# Altium PCB MiniPC.PcbDoc (part 13 of 23)
Units mm, origin at the board's own origin, x right, y up, seen from the top; angles counter-clockwise.
Board outline 175 x 155 mm, 16 copper layers (1_Top, 2_int1_(gnd), 3_int2_(power), 4_int3_(gnd), 5_int4_(sign), 6_int5_(power), 7_int6_(sign), 8_int7_(power), 9_int8_(gnd), 10_int9_(sign), 11_int10_(gnd), 12_int11_(sign), 13_int12_(gnd), 14_int13_(power), 15_int14_(gnd), 16_Bottom), stack 2.008 mm thick; 1046 components, 841 nets, 6010 pads, 4016 vias.
Unrouted connection lines stored in the file: 602.
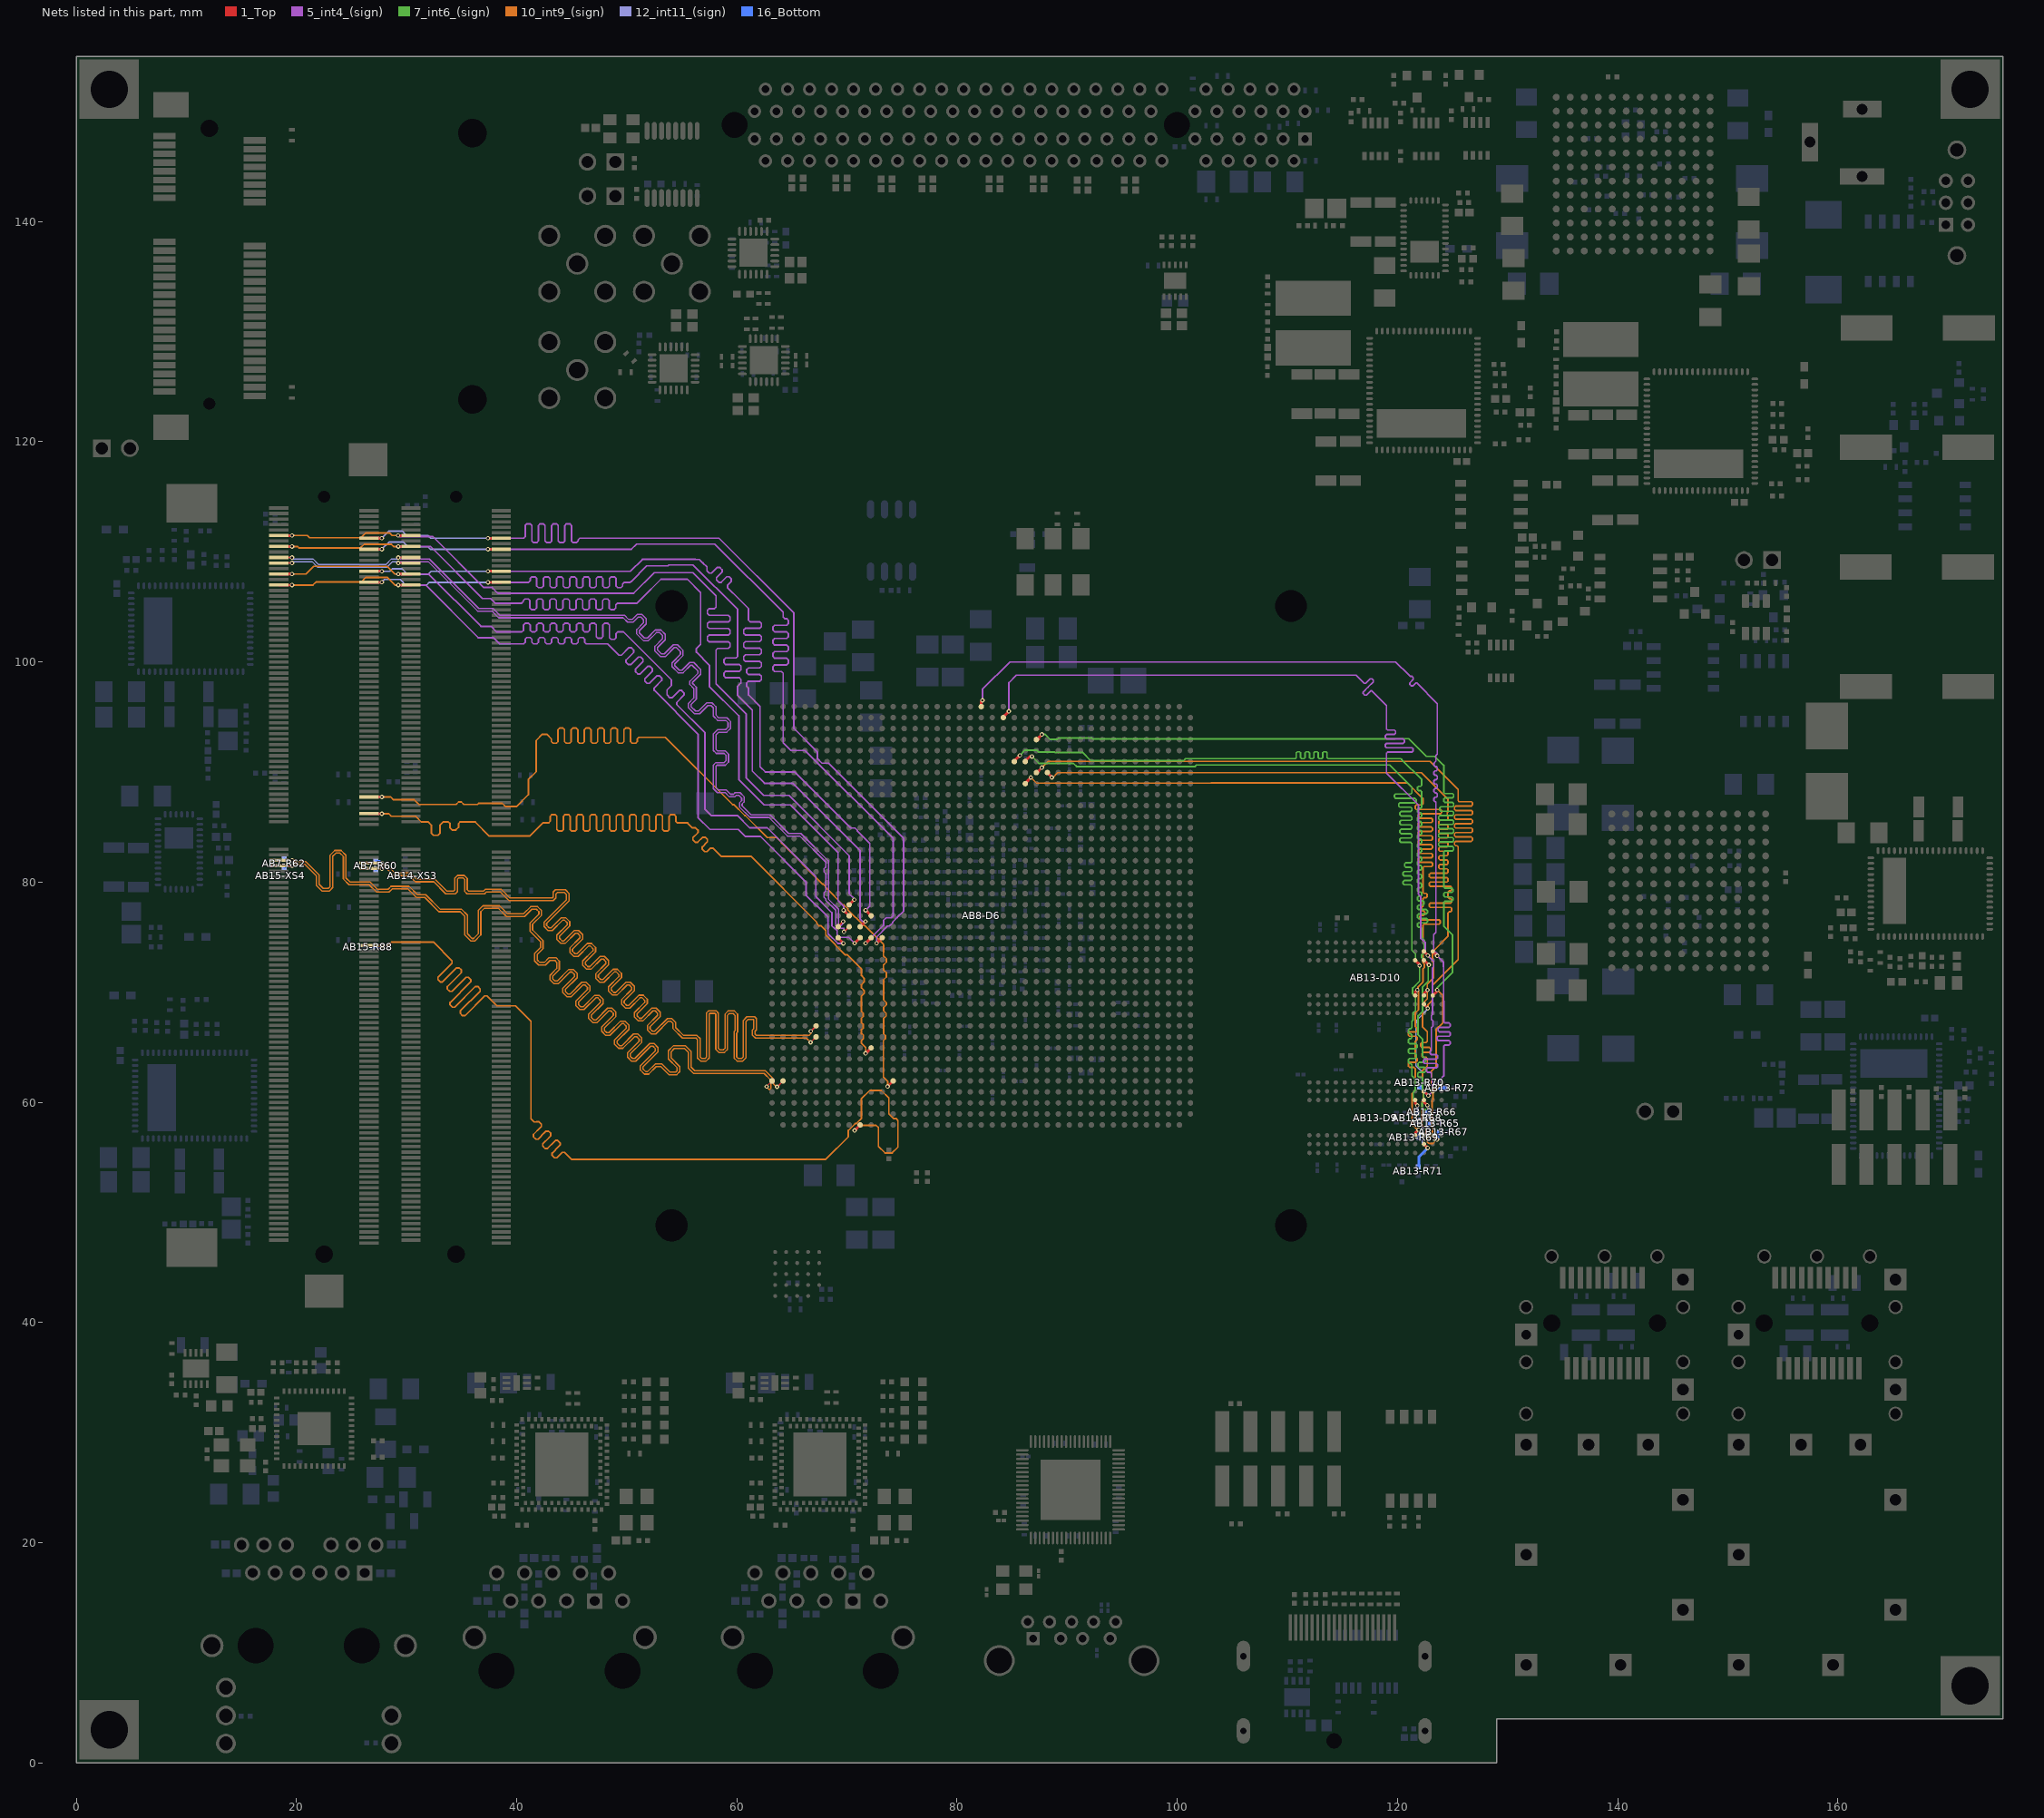
[diagram p27: the nets of this part, all layers, seen from the top]

## Via types
v1: diameter 0.4, hole 0.2, 1_Top to 16_Bottom, tented both sides, 1658 vias
v2: diameter 0.7, hole 0.3, 1_Top to 16_Bottom, tented both sides, 915 vias
v3: diameter 0.5, hole 0.2, 1_Top to 16_Bottom, tented both sides, 854 vias
v4: diameter 0.6, hole 0.2, 1_Top to 16_Bottom, 278 vias
v5: diameter 0.5, hole 0.2, 1_Top to 16_Bottom, 162 vias
v6: diameter 0.4, hole 0.2, 1_Top to 16_Bottom, 100 vias
v7: diameter 0.4/0/0/0/0/0/0/0/0/0/0/0/0/0/0/0.4 (per signal layer), hole 0.2, 1_Top to 16_Bottom, tented both sides, 18 vias
v8: diameter 0.4/0/0/0/0/0/0/0/0/0/0/0.4/0.4/0.4/0.4/0.4 (per signal layer), hole 0.2, 1_Top to 16_Bottom, tented both sides, 16 vias
v9: diameter 0.5, hole 0.254, 1_Top to 16_Bottom, 15 vias

## Nets (pads, with @x,y where several pads share a name; then routed paths per layer and width w, separated by ;. In a path a pad name is that pad's centre, name@x,y a point inside that pad or via, vN(x,y) a via of type N, cw(c..) or ccw(c..) an arc to the next point about the centre after c; other vN are vias at no path point) (continued)
DDR4_BLK1.DL8.DQ56: AB8-D6.Y10 AB14-XS3.237 AB15-XS4.237 | length 89.3
  1_Top w0.25: AB15-XS4.237@26.6,108.225 v1(27.75,108.225) ; v1(37.398,108.225) AB14-XS3.237@38.6,108.225 ; v1(71.694,77.439) AB8-D6.Y10@72.194,76.939
  5_int4_(sign) w0.15: v1(37.398,108.225) 50.336,108.225 51.421,109.31 56.232,109.31 56.242,109.3 56.6,109.3 56.713,109.188 56.925,108.975 57.276,108.624 57.276,108.478 57.276,108.266 57.488,108.054 57.7,108.054 57.773,108.127 58.226,108.58 58.438,108.58 58.65,108.368 58.65,108.155 58.197,107.703 58.143,107.648 58.143,107.436 58.355,107.224 58.567,107.224 58.622,107.278 59.075,107.731 59.287,107.731 59.499,107.519 59.499,107.307 59.152,106.96 59.152,106.748 60.187,105.713 61.05,104.85 61.05,104.45 61.05,103.792 61.2,103.642 62.075,103.642 62.225,103.492 62.225,103.192 62.075,103.042 61.05,103.042 60.775,103.042 60.625,102.892 60.625,102.592 60.775,102.442 61.05,102.442 62.075,102.442 62.225,102.292 62.225,101.992 62.075,101.842 61.05,101.842 60.775,101.842 60.625,101.692 60.625,101.392 60.775,101.242 61.05,101.242 62.075,101.242 62.225,101.092 62.225,100.792 62.075,100.642 61.05,100.642 60.775,100.642 60.625,100.492 60.625,100.192 60.775,100.042 61.05,100.042 62.075,100.042 62.225,99.892 62.225,99.592 62.075,99.442 61.05,99.442 60.9,99.292 60.9,98.992 61.05,98.842 62.075,98.842 62.225,98.692 62.225,98.392 62.075,98.242 61.05,98.242 61.039,98.242 60.889,98.092 60.889,97.792 61.039,97.642 61.05,97.631 61.05,97.342 61.05,97 62.1,95.95 62.1,90.475 62.575,90 65.225,90 70.325,84.9 70.73,84.9 70.95,84.68 70.95,84.63 72.079,83.501 72.079,77.824 v1(71.694,77.439)
  12_int11_(sign) w0.15: v1(27.75,108.225) 28.475,108.225 28.7,108.45 29.6,108.45 30.1,107.95 31.95,107.95 32.225,108.225 v1(37.398,108.225)
DDR4_BLK1.DL8.DQ57: AB8-D6.AB9 AB14-XS3.236 AB15-XS4.236 | length 88.9
  1_Top w0.25: AB15-XS4.236@18.4,107.975 v1(19.602,107.975) ; v1(29.25,107.975) AB14-XS3.236@30.4,107.975 ; v1(70.694,74.439) AB8-D6.AB9@71.194,74.939
  5_int4_(sign) w0.15: v1(29.25,107.975) 32,107.975 36.75,103.225 37.675,103.225 38.175,102.725 40.475,102.725 40.625,102.875 40.625,103.35 40.775,103.5 41.075,103.5 41.225,103.35 41.225,102.875 41.375,102.725 41.675,102.725 41.825,102.875 41.825,103.35 41.975,103.5 42.275,103.5 42.425,103.35 42.425,102.875 42.575,102.725 42.875,102.725 43.025,102.875 43.025,103.35 43.175,103.5 43.475,103.5 43.625,103.35 43.625,102.875 43.775,102.725 44.075,102.725 44.225,102.875 44.225,103.35 44.375,103.5 44.675,103.5 44.825,103.35 44.825,102.875 44.975,102.725 45.275,102.725 45.425,102.875 45.425,103.35 45.575,103.5 45.875,103.5 46.025,103.35 46.025,102.875 46.175,102.725 46.475,102.725 46.625,102.875 46.625,103.35 46.775,103.5 47.075,103.5 47.225,103.35 47.225,102.285 47.375,102.135 47.675,102.135 47.825,102.285 47.825,103.35 47.975,103.5 48.275,103.5 48.425,103.35 48.425,102.187 48.575,102.037 48.875,102.037 49.025,102.187 49.025,102.575 49.175,102.725 49.698,102.725 54.05,98.373 54.05,97.85 53.65,97.45 53.65,97 53.906,96.744 54.118,96.744 54.771,97.396 54.983,97.396 55.195,97.184 55.195,96.972 54.542,96.32 54.542,96.108 57.1,93.55 57.1,86.6 57.65,86.05 60.025,86.05 61.15,84.925 62.75,84.925 67.175,80.5 67.175,78.675 68.625,77.225 68.625,76.03 68.805,75.85 68.83,75.85 69.1,75.58 69.1,75.15 69.275,74.975 70.158,74.975 v1(70.694,74.439)
  10_int9_(sign) w0.15: v1(19.602,107.975) 20.875,107.975 21.575,108.675 28.225,108.675 28.925,107.975 v1(29.25,107.975)
DDR4_BLK1.DL8.DQ58: AB8-D6.AB11 AB14-XS3.249 AB15-XS4.249 | length 91.5
  1_Top w0.25: AB15-XS4.249@26.6,111.225 26.625,111.2 26.655,111.23 v1(27.751,111.23) ; v1(37.398,111.225) AB14-XS3.249@38.6,111.225 ; v1(72.694,74.439) AB8-D6.AB11@73.194,74.939
  5_int4_(sign) w0.15: v1(37.398,111.225) 40.475,111.225 40.625,111.225 40.775,111.375 40.775,112.384 40.925,112.534 41.225,112.534 41.375,112.384 41.375,111.225 41.375,110.976 41.525,110.826 41.825,110.826 41.975,110.976 41.975,111.225 41.975,112.384 42.125,112.534 42.425,112.534 42.575,112.384 42.575,111.225 42.575,110.976 42.725,110.826 43.025,110.826 43.175,110.976 43.175,111.225 43.175,112.384 43.325,112.534 43.625,112.534 43.775,112.384 43.775,111.225 43.775,110.976 43.925,110.826 44.225,110.826 44.375,110.976 44.375,111.225 44.375,112.384 44.525,112.534 44.825,112.534 44.975,112.384 44.975,111.225 44.975,110.976 45.125,110.826 45.425,110.826 45.575,110.976 45.575,111.075 45.725,111.225 47.55,111.225 58.375,111.225 65.175,104.425 65.175,93.95 67.34,91.785 67.325,91.77 67.325,91.2 67.725,90.8 68.325,90.8 75.15,83.975 75.15,77.365 74.56,76.775 74.545,76.775 74.15,76.38 74.15,76.295 73.855,76 73.695,76 72.694,74.999 v1(72.694,74.439)
  12_int11_(sign) w0.15: v1(27.751,111.23) 28.396,111.875 29.6,111.875 30.025,111.45 31.975,111.45 32.2,111.225 v1(37.398,111.225)
DDR4_BLK1.DL8.DQ59: AB8-D6.W8 AB14-XS3.250 AB15-XS4.250 | length 90.9
  1_Top w0.25: AB15-XS4.250@18.4,111.475 v1(19.602,111.475) ; v1(29.225,111.475) AB14-XS3.250@30.4,111.475 ; AB8-D6.W8@70.194,77.939 v1(70.655,78.4)
  5_int4_(sign) w0.15: v1(29.225,111.475) 29.325,111.375 32.4,111.375 37.025,106.75 37.775,106.75 38.3,106.225 50.625,106.225 52.5,108.1 56,108.1 58.1,106 58.1,105.725 58.1,105.425 58.1,104.975 57.95,104.825 57.479,104.825 57.329,104.675 57.329,104.375 57.479,104.225 58.1,104.225 59.231,104.225 59.381,104.075 59.381,103.775 59.231,103.625 58.1,103.625 57.479,103.625 57.329,103.475 57.329,103.175 57.479,103.025 58.1,103.025 59.231,103.025 59.381,102.875 59.381,102.575 59.231,102.425 58.1,102.425 57.479,102.425 57.329,102.275 57.329,101.975 57.479,101.825 58.1,101.825 59.231,101.825 59.381,101.675 59.381,101.375 59.231,101.225 58.25,101.225 58.1,101.075 58.1,100.625 58.1,98 60.85,95.25 60.85,89.45 62.425,87.875 64.725,87.875 70.2,82.4 70.2,78.946 70.655,78.491 v1(70.655,78.4)
  10_int9_(sign) w0.15: v1(19.602,111.475) 21,111.475 21.2,111.275 25.85,111.275 26.275,111.7 28.475,111.7 28.7,111.475 v1(29.225,111.475)
DDR4_BLK1.DL8.DQ60: AB8-D6.AB7 AB14-XS3.232 AB15-XS4.232 | length 86.2
  1_Top w0.25: AB15-XS4.232@18.4,106.975 v1(19.602,106.975) ; v1(29.25,106.975) AB14-XS3.232@30.4,106.975 ; AB8-D6.AB7@69.194,74.939 69.177,74.923 69.636,74.464 v1(69.675,74.425)
  5_int4_(sign) w0.15: v1(29.25,106.975) 31.725,106.975 36.5,102.2 37.875,102.2 38.45,101.625 40.625,101.625 40.775,101.775 40.775,102.065 40.925,102.215 41.225,102.215 41.375,102.065 41.375,101.775 41.525,101.625 41.825,101.625 41.975,101.775 41.975,102.065 42.125,102.215 42.425,102.215 42.575,102.065 42.575,101.775 42.725,101.625 43.025,101.625 43.175,101.775 43.175,102.065 43.325,102.215 43.625,102.215 43.775,102.065 43.775,101.775 43.925,101.625 44.225,101.625 44.375,101.775 44.375,102.065 44.525,102.215 44.825,102.215 44.975,102.065 44.975,101.775 45.125,101.625 45.425,101.625 45.575,101.775 45.575,102.065 45.725,102.215 46.025,102.215 46.175,102.065 46.175,101.775 46.325,101.625 48.275,101.625 49.305,100.595 49.517,100.595 50.206,101.284 50.418,101.284 50.63,101.072 50.63,100.86 49.941,100.171 49.941,99.959 50.153,99.747 50.365,99.747 51.054,100.436 51.266,100.436 51.478,100.224 51.478,100.011 50.79,99.323 50.79,99.11 51.002,98.898 51.214,98.898 51.903,99.587 52.115,99.587 52.327,99.375 52.327,99.163 51.638,98.474 51.638,98.262 51.85,98.05 52.062,98.05 52.751,98.739 52.963,98.739 53.175,98.527 53.175,98.314 52.487,97.626 52.487,97.413 56.475,93.425 56.475,85.85 57.55,84.775 60.125,84.775 60.75,84.15 62.125,84.15 66.275,80 66.275,78.825 68.275,76.825 68.275,75.32 69.17,74.425 v1(69.675,74.425)
  10_int9_(sign) w0.15: v1(19.602,106.975) 21.5,106.975 21.775,107.25 25.875,107.25 26.3,107.675 28.25,107.675 28.95,106.975 v1(29.25,106.975)
DDR4_BLK1.DL8.DQ61: AB8-D6.AA9 AB14-XS3.233 AB15-XS4.233 | length 89.3
  1_Top w0.25: AB15-XS4.233@26.6,107.225 26.625,107.2 26.655,107.23 v1(27.751,107.23) ; v1(37.398,107.225) AB14-XS3.233@38.6,107.225 ; AB8-D6.AA9@71.194,75.939 v1(71.68,76.425)
  5_int4_(sign) w0.15: v1(37.398,107.225) 40.925,107.225 41.075,107.225 41.225,107.375 41.225,107.565 41.375,107.715 41.675,107.715 41.825,107.565 41.825,107.225 41.825,106.885 41.975,106.735 42.275,106.735 42.425,106.885 42.425,107.225 42.425,107.565 42.575,107.715 42.875,107.715 43.025,107.565 43.025,107.225 43.025,106.885 43.175,106.735 43.475,106.735 43.625,106.885 43.625,107.225 43.625,107.565 43.775,107.715 44.075,107.715 44.225,107.565 44.225,107.225 44.225,106.885 44.375,106.735 44.675,106.735 44.825,106.885 44.825,107.225 44.825,107.565 44.975,107.715 45.275,107.715 45.425,107.565 45.425,107.225 45.425,106.885 45.575,106.735 45.875,106.735 46.025,106.885 46.025,107.225 46.025,107.565 46.175,107.715 46.475,107.715 46.625,107.565 46.625,107.225 46.625,106.885 46.775,106.735 47.075,106.735 47.225,106.885 47.225,107.225 47.225,107.565 47.375,107.715 47.675,107.715 47.825,107.565 47.825,107.225 47.825,106.885 47.975,106.735 48.275,106.735 48.425,106.885 48.425,107.225 48.425,107.565 48.575,107.715 48.875,107.715 49.025,107.565 49.025,107.225 49.025,106.885 49.175,106.735 49.475,106.735 49.625,106.885 49.625,107.075 49.775,107.225 50.225,107.225 50.325,107.225 50.388,107.287 51.815,108.715 53.736,108.715 53.821,108.8 56.021,108.8 60.075,104.746 60.075,100.6 60.075,100.5 59.925,100.35 58.986,100.35 58.836,100.2 58.836,99.9 58.986,99.75 60.075,99.75 60.229,99.75 60.379,99.6 60.379,99.3 60.229,99.15 60.075,99.15 58.986,99.15 58.836,99 58.836,98.7 58.986,98.55 60.075,98.55 60.229,98.55 60.379,98.4 60.379,98.1 60.229,97.95 60.225,97.95 60.075,97.8 60.075,97.35 60.075,97.05 60.075,96.95 61.4,95.625 61.4,90.075 62.5,88.975 65.075,88.975 71.175,82.875 71.175,76.65 71.4,76.425 v1(71.68,76.425)
  12_int11_(sign) w0.15: v1(27.751,107.23) 27.996,107.475 29.425,107.475 29.95,106.95 31.8,106.95 32.075,107.225 v1(37.398,107.225)
DDR4_BLK1.DL8.DQ62: AB8-D6.AB10 AB14-XS3.245 AB15-XS4.245 | length 88.5
  1_Top w0.25: AB15-XS4.245@26.6,110.225 26.605,110.23 v1(27.751,110.23) ; v1(37.398,110.225) AB14-XS3.245@38.6,110.225 ; v1(71.694,74.439) AB8-D6.AB10@72.194,74.939
  5_int4_(sign) w0.15: v1(37.398,110.225) 50.425,110.225 50.9,110.7 58,110.7 64.2,104.5 64.2,104.225 64.2,104.075 64.35,103.925 64.515,103.925 64.665,103.775 64.665,103.475 64.515,103.325 64.2,103.325 63.435,103.325 63.285,103.175 63.285,102.875 63.435,102.725 64.2,102.725 64.515,102.725 64.665,102.575 64.665,102.275 64.515,102.125 64.2,102.125 63.435,102.125 63.285,101.975 63.285,101.675 63.435,101.525 64.2,101.525 64.515,101.525 64.665,101.375 64.665,101.075 64.515,100.925 64.2,100.925 63.435,100.925 63.285,100.775 63.285,100.475 63.435,100.325 64.2,100.325 64.515,100.325 64.665,100.175 64.665,99.875 64.515,99.725 64.2,99.725 63.435,99.725 63.285,99.575 63.285,99.275 63.435,99.125 64.05,99.125 64.2,98.975 64.2,98.325 64.2,92.65 64.9,91.95 66.193,91.95 74.2,83.943 74.2,76.945 74.008,76.754 73.548,76.754 73.329,76.534 73.329,76.074 v1(71.694,74.439)
  12_int11_(sign) w0.15: v1(27.751,110.23) 28.396,110.875 29.725,110.875 30.15,110.45 31.925,110.45 32.15,110.225 v1(37.398,110.225)
DDR4_BLK1.DL8.DQ63: AB8-D6.Y8 AB14-XS3.246 AB15-XS4.246 | length 90.9
  1_Top w0.25: AB15-XS4.246@18.4,110.475 v1(19.602,110.475) ; v1(29.25,110.475) AB14-XS3.246@30.4,110.475 ; v1(69.694,77.439) AB8-D6.Y8@70.194,76.939
  5_int4_(sign) w0.15: v1(29.25,110.475) 32.175,110.475 36.9,105.75 37.625,105.75 38.05,105.325 40.3,105.325 40.45,105.325 40.6,105.475 40.6,105.565 40.75,105.715 41.05,105.715 41.2,105.565 41.2,105.325 41.2,104.89 41.35,104.74 41.65,104.74 41.8,104.89 41.8,105.325 41.8,105.565 41.95,105.715 42.25,105.715 42.4,105.565 42.4,105.325 42.4,104.89 42.55,104.74 42.85,104.74 43,104.89 43,105.325 43,105.565 43.15,105.715 43.45,105.715 43.6,105.565 43.6,105.325 43.6,104.89 43.75,104.74 44.05,104.74 44.2,104.89 44.2,105.325 44.2,105.565 44.35,105.715 44.65,105.715 44.8,105.565 44.8,105.325 44.8,104.89 44.95,104.74 45.25,104.74 45.4,104.89 45.4,105.325 45.4,105.565 45.55,105.715 45.85,105.715 46,105.565 46,105.325 46,104.89 46.15,104.74 46.45,104.74 46.6,104.89 46.6,105.325 46.6,105.565 46.75,105.715 47.05,105.715 47.2,105.565 47.2,105.325 47.2,104.89 47.35,104.74 47.65,104.74 47.8,104.89 47.8,105.325 47.8,105.565 47.95,105.715 48.25,105.715 48.4,105.565 48.4,105.325 48.4,104.89 48.55,104.74 48.85,104.74 49,104.89 49,105.175 49.15,105.325 50.925,105.325 51.137,105.537 51.4,105.8 53.1,107.5 55.5,107.5 56.7,106.3 56.7,101.6 56.325,101.225 56.325,100.875 57.5,99.7 57.5,97.775 60.175,95.1 60.175,89.3 62.475,87 64.875,87 69.184,82.691 69.184,78.316 69.694,77.806 v1(69.694,77.439)
  10_int9_(sign) w0.15: v1(19.602,110.475) 20.1,110.475 20.225,110.35 25.825,110.35 26.15,110.675 28.625,110.675 28.825,110.475 v1(29.25,110.475)
DDR4_BLK1.DL8.DQS7_N: AB8-D6.AA8 AB14-XS3.240 AB15-XS4.240 | length 91.5
  1_Top w0.15: AB15-XS4.240@18.4,108.975 v1(19.602,108.975) ; v1(29.25,108.975) AB14-XS3.240@30.4,108.975 ; v1(69.725,75.479) 70.186,75.939 AB8-D6.AA8@70.194,75.939
  5_int4_(sign) w0.13: v1(29.25,108.975) 29.325,108.975 29.45,109.1 31.961,109.1 36.451,104.61 37.751,104.61 38.361,104 49.675,104 50.07,103.605 50.594,103.605 51.045,104.055 51.295,104.055 51.525,103.825 51.525,103.55 50.91,102.935 50.91,102.526 51.501,101.935 51.974,101.935 52.689,102.65 53,102.65 53.25,102.4 53.25,102.1 52.56,101.41 52.56,100.976 53.051,100.485 53.51,100.485 54.325,101.3 54.5,101.3 54.875,100.925 54.875,100.675 54.11,99.91 54.11,99.565 54.665,99.01 55.124,99.01 55.807,99.693 55.932,99.693 56.475,99.15 56.475,98.975 55.73,98.23 55.73,97.945 56.075,97.6 56.075,96.7 55.61,96.235 55.61,95.826 56.151,95.285 56.624,95.285 57.369,96.03 57.645,96.03 57.85,95.825 57.85,95.076 58.241,94.685 58.99,94.685 59.2,94.475 59.2,94.075 58.975,93.85 58.251,93.85 57.85,93.449 57.85,91.961 58.126,91.685 58.84,91.685 59,91.525 59,91 58.85,90.85 58.086,90.85 57.85,90.614 57.85,88.486 58.226,88.11 58.951,88.11 59.326,87.735 59.799,87.735 59.939,87.875 60.186,87.875 60.435,87.626 60.435,87.399 60.235,87.199 60.235,86.826 61.186,85.875 62.9,85.875 64.595,84.18 65.705,84.18 68.069,81.817 68.069,81.369 67.925,81.225 67.925,80.894 68.069,80.75 68.069,79.194 67.925,79.05 67.925,78.61 68.06,78.475 68.06,78.365 68.985,77.44 68.985,76.035 69.201,75.818 69.707,75.818 69.725,75.8 v1(69.725,75.479)
  12_int11_(sign) w0.13: v1(19.602,108.975) 19.727,109.1 21.411,109.1 21.901,108.61 28.235,108.61 28.725,109.1 29.125,109.1 v1(29.25,108.975)
DDR4_BLK1.DL8.DQS7_P: AB8-D6.AA7 AB14-XS3.242 AB15-XS4.242 | length 91.1
  1_Top w0.15: AB15-XS4.242@18.4,109.475 v1(19.602,109.475) ; v1(29.25,109.475) AB14-XS3.242@30.4,109.475 ; AB8-D6.AA7@69.194,75.939 69.194,75.969 v1(69.65,76.425)
  5_int4_(sign) w0.13: v1(29.25,109.475) 29.325,109.475 29.46,109.34 30.026,109.34 32.06,109.34 36.55,104.85 37.85,104.85 38.46,104.24 49.774,104.24 50.17,103.845 50.495,103.845 50.945,104.295 51.394,104.295 51.765,103.924 51.765,103.451 51.15,102.836 51.15,102.625 51.6,102.175 51.875,102.175 52.59,102.89 53.099,102.89 53.49,102.499 53.49,102.001 52.8,101.311 52.8,101.075 53.15,100.725 53.411,100.725 54.226,101.54 54.599,101.54 55.115,101.024 55.115,100.576 54.35,99.811 54.35,99.664 54.764,99.25 55.025,99.25 55.708,99.933 56.092,99.933 56.715,99.31 56.715,98.876 55.97,98.13 55.97,98.045 56.315,97.699 56.315,96.601 55.85,96.136 55.85,95.925 56.25,95.525 56.525,95.525 57.27,96.27 57.745,96.27 58.09,95.924 58.09,95.175 58.34,94.925 59.089,94.925 59.44,94.574 59.44,93.976 59.074,93.61 58.35,93.61 58.09,93.35 58.09,92.06 58.225,91.925 58.939,91.925 59.24,91.624 59.24,90.901 58.949,90.61 58.185,90.61 58.09,90.515 58.09,88.585 58.325,88.35 59.05,88.35 59.425,87.975 59.7,87.975 59.84,88.115 60.285,88.115 60.675,87.725 60.675,87.3 60.475,87.1 60.475,86.925 61.285,86.115 62.999,86.115 64.694,84.42 65.805,84.42 68.309,81.916 68.309,78.455 69.225,77.539 69.225,76.134 69.292,76.067 69.492,76.067 69.65,76.225 v1(69.65,76.425)
  12_int11_(sign) w0.13: v1(19.602,109.475) 19.727,109.35 21.5,109.35 22,108.85 28.136,108.85 28.636,109.35 29.125,109.35 v1(29.25,109.475)
DDR4_BLK2.CTRL.CK0_N: AB7-R60.2 AB8-D6.AK5 AB15-XS4.139 | length 103.1
  1_Top w0.15: AB15-XS4.139@26.6,81.725 v1(27.75,81.725) ; v1(66.7,66.445) AB8-D6.AK5@67.194,66.939
  10_int9_(sign) w0.13: v1(27.75,81.725) 27.891,81.584 28.174,81.584 28.919,80.84 30.324,80.84 30.899,80.265 32.574,80.265 33.657,79.182 34.265,79.182 34.277,79.182 34.394,79.299 34.394,80.368 34.625,80.599 35.25,80.599 35.512,80.337 35.512,79.299 35.629,79.182 35.636,79.182 37,79.182 37.147,79.33 38.62,79.33 39.4,78.55 43.225,78.55 43.325,78.65 43.325,79.1 43.525,79.3 44.424,79.3 44.765,78.959 44.765,78.299 43.649,77.183 42.722,76.256 42.722,76.062 42.945,75.839 43.139,75.839 44.066,76.766 44.459,76.766 44.823,76.402 44.823,76.009 43.896,75.082 43.896,74.888 44.119,74.665 44.313,74.665 45.24,75.592 45.633,75.592 45.997,75.228 45.997,74.835 45.07,73.908 45.07,73.714 45.293,73.491 45.487,73.491 46.414,74.418 46.807,74.418 47.17,74.055 47.17,73.662 46.243,72.735 46.243,72.541 46.467,72.317 46.661,72.317 47.588,73.244 47.981,73.244 48.344,72.881 48.344,72.488 47.417,71.561 47.417,71.367 47.64,71.144 47.834,71.144 48.761,72.071 49.154,72.071 49.518,71.707 49.518,71.314 48.591,70.387 48.591,70.193 48.814,69.97 49.008,69.97 49.935,70.897 50.328,70.897 50.692,70.533 50.692,70.14 49.765,69.213 49.765,69.019 49.988,68.796 50.182,68.796 51.109,69.723 51.502,69.723 51.866,69.359 51.866,68.966 50.939,68.039 50.939,67.845 51.162,67.622 51.356,67.622 52.283,68.549 52.676,68.549 53.039,68.186 53.039,67.793 52.112,66.866 52.112,66.672 52.335,66.448 52.53,66.448 53.689,67.608 54.082,67.608 54.445,67.244 54.445,66.78 55.163,66.062 56.385,66.062 56.663,65.785 56.663,64.122 56.8,63.985 57.116,63.985 57.253,64.122 57.253,65.9 57.253,68.117 57.451,68.315 58.099,68.315 58.323,68.092 58.323,64.903 58.46,64.765 58.776,64.765 58.913,64.903 58.913,66.225 58.913,68.002 59.201,68.29 59.774,68.29 60.065,67.999 60.065,66.383 59.983,66.301 59.983,64.122 60.12,63.985 60.436,63.985 60.573,64.122 60.573,66.45 60.573,67.424 60.913,67.765 61.599,67.765 61.765,67.599 61.765,66.58 61.643,66.458 61.643,66.2 61.78,66.062 66.545,66.062 66.7,66.217 v1(66.7,66.445)
  16_Bottom w0.15: AB7-R60.2@27.2,81.925 27.55,81.925 v1(27.75,81.725)
DDR4_BLK2.CTRL.CK0_P: AB7-R60.1 AB8-D6.AL5 AB15-XS4.137 | length 103
  1_Top w0.15: AB15-XS4.137@26.6,81.225 26.625,81.25 26.671,81.204 v1(27.751,81.204) ; v1(66.694,65.439) AB8-D6.AL5@67.194,65.939
  10_int9_(sign) w0.13: v1(27.751,81.204) 27.892,81.344 28.075,81.344 28.819,80.6 30.225,80.6 30.8,80.025 32.475,80.025 33.558,78.942 34.441,78.942 34.634,79.135 34.634,80.269 34.725,80.359 35.151,80.359 35.272,80.238 35.272,79.155 35.485,78.942 37.099,78.942 37.247,79.09 38.521,79.09 39.301,78.31 43.324,78.31 43.565,78.551 43.565,78.91 43.715,79.06 44.325,79.06 44.525,78.86 44.525,78.398 42.482,76.355 42.482,75.963 42.846,75.599 43.239,75.599 44.166,76.526 44.36,76.526 44.583,76.303 44.583,76.109 43.656,75.182 43.656,74.789 44.019,74.425 44.412,74.425 45.339,75.352 45.534,75.352 45.757,75.129 45.757,74.935 44.83,74.008 44.83,73.615 45.193,73.251 45.586,73.251 46.513,74.178 46.707,74.178 46.93,73.955 46.93,73.761 46.003,72.834 46.003,72.441 46.367,72.077 46.76,72.077 47.687,73.004 47.881,73.004 48.104,72.781 48.104,72.587 47.177,71.66 47.177,71.267 47.541,70.904 47.934,70.904 48.861,71.831 49.055,71.831 49.278,71.608 49.278,71.413 48.351,70.486 48.351,70.094 48.715,69.73 49.108,69.73 50.035,70.657 50.229,70.657 50.452,70.434 50.452,70.24 49.525,69.313 49.525,68.92 49.888,68.556 50.281,68.556 51.208,69.483 51.402,69.483 51.626,69.26 51.626,69.066 50.699,68.139 50.699,67.746 51.062,67.382 51.455,67.382 52.382,68.309 52.576,68.309 52.799,68.086 52.799,67.892 51.872,66.965 51.872,66.572 52.236,66.208 52.629,66.208 53.788,67.368 53.982,67.368 54.205,67.144 54.205,66.68 55.063,65.822 56.286,65.822 56.423,65.685 56.423,64.023 56.701,63.745 57.215,63.745 57.493,64.023 57.493,65.9 57.493,68.018 57.55,68.075 58,68.075 58.083,67.992 58.083,64.803 58.361,64.525 58.875,64.525 59.153,64.803 59.153,66.225 59.153,67.903 59.3,68.05 59.675,68.05 59.825,67.9 59.825,66.482 59.743,66.4 59.743,64.023 60.021,63.745 60.535,63.745 60.813,64.023 60.813,66.45 60.813,67.325 61.013,67.525 61.5,67.525 61.525,67.5 61.525,66.68 61.403,66.558 61.403,66.1 61.681,65.822 66.311,65.822 v1(66.694,65.439)